# Allegro board FPGA-FINAL.brd (continued)
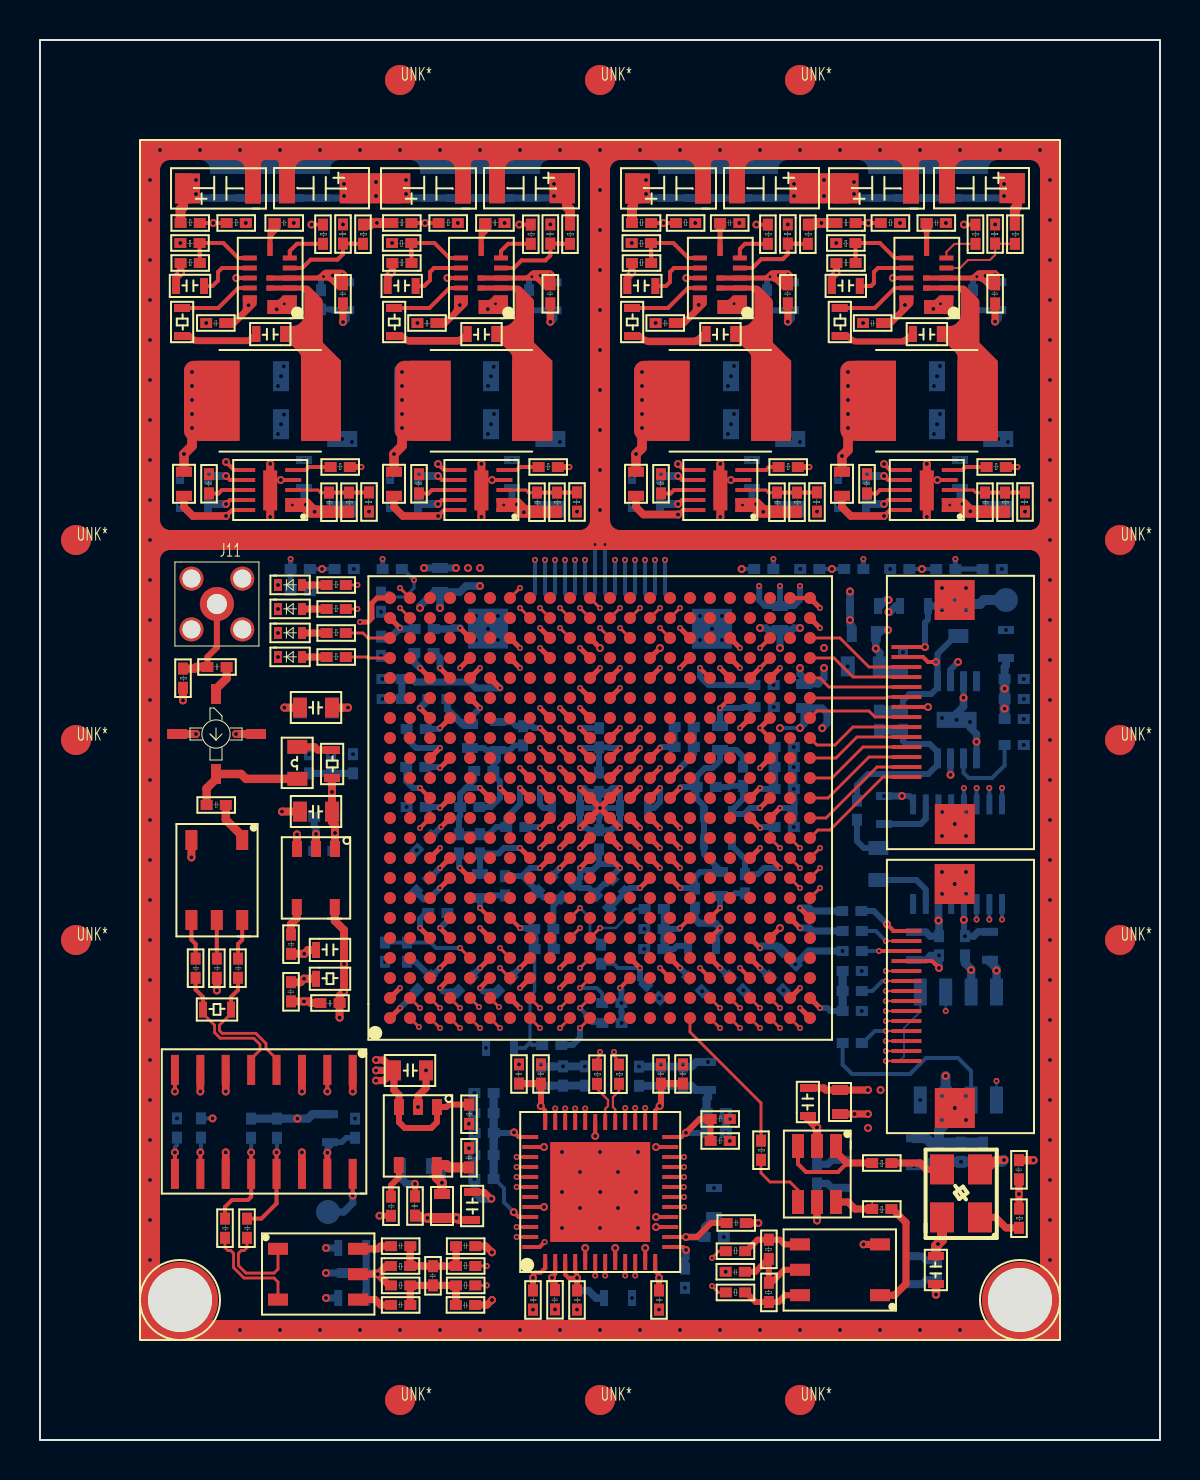
[diagram p0: board, top side]
## Routing (per net, layer and track width the routed paths; a pad name or vN(x,y) marks a point on that pad's centre or on a via; arc(x,y) is an arc through that point) (continued)
AIN+: length 8.3
  TOP w0.14: R194.1 22.2,8.7 v2(22.34,8.7) ; v2(27.76,8.22) U33.6
  SIGNAL-L3 w0.14: v2(27.76,8.22) 27.76,8.02 27.9,7.88 27.9,7.5 27.7,7.3 24.1,7.3 23.06,8.34 22.7,8.34 v2(22.34,8.7)
AIN-: length 8.7
  TOP w0.14: v2(22.34,7.73) 22.2,7.73 22.2,7.73 R196.1 ; v2(28.26,8.22) U33.7
  SIGNAL-L3 w0.14: v2(22.34,7.73) 22.7,8.09 22.96,8.09 24,7.05 27.8,7.05 28.15,7.4 28.15,7.88 28.26,7.99 v2(28.26,8.22)
ASDO: length 30.3
  TOP w0.1: 43.32,18.95 v2(42.29,18.95)
  TOP w0.14: v2(21,20.6) U20.D1
  SIGNAL-L7 w0.14: v2(21,20.6) 21,19.4 23,17.4 30.6,17.4 31,17.8 40.5,17.8 41.65,18.95 v2(42.29,18.95)
  BOTTOM w0.1: v2(42.29,18.95) 42.97,18.95 43.2,19.18 43.2,20.6 44.02,21.41 U49.5
AUDIO_5V: length 35.9
  PWR-L6 w0.3: v1(45.53,33.26) 44.92,33.86 ; 44.92,33.86 44.92,36.44 42.46,38.9 ; 44.92,33.86 v1(44.92,25.97) ; v1(48.23,36.57) v1(48.23,37.57) 46.9,38.9 v1(45.9,38.9) 42.46,38.9 ; 42.46,38.9 v1(41.79,39.57) 41.79,39.89 v1(42.4,40.5)
  BOTTOM w0.3: U18.3 v1(45.53,33.26) ; U18.6 45.53,38.53 v1(45.9,38.9)
  BOTTOM w0.36: C552.1 44.51,25.19 44.3,25.4 C551.2
  BOTTOM w0.38: U24.6 v1(44.92,25.97) 44.95,25.95 C552.1 ; C642.2 41.99,39.36 41.79,39.56 v1(41.79,39.57) L18.2 41.9,40.3 42.1,40.5 v1(42.4,40.5)
  BOTTOM w0.4: C540.1 48.3,38.72 48.23,38.65 C508.2
  BOTTOM w0.5: C642.2 42.24,38.43 C541.2 ; C508.2 v1(48.23,37.57) C507.2 v1(48.23,36.57) C491.2
AUDIO_OUT: length 7.1
  TOP w0.2: J10.14 v1(44.25,39.65)
  BOTTOM w0.3: R139.2 44.4,41.02 44.25,40.87 v1(44.25,39.65)
  BOTTOM w0.38: C140.2 45.19,41.8 45.09,41.7 R139.2
  BOTTOM w0.5: TP53.1 47.2,42 47,41.8 C140.2
CLK2FPGA: length 7.6
  TOP w0.14: U20.T1 32.5,20.4 36.05,16.85 R177.2
CLK_3V3: length 29.7
  TOP w0.36: C206.2 v1(48.95,12.3) R166.2 ; L21.2 v1(40.73,16.3) v1(41.4,16.3) ; U32.5 v1(38.85,10.97)
  TOP w0.5: Y4.4 45.1,10 v1(44.9,9.8) 44.8,9.7 C204.2
  PWR-L6 w0.36: v1(44.9,9.8) 43.73,10.97 ; 43.73,10.97 40.9,10.97 ; 43.73,10.97 44.87,10.97 46.2,12.3 v1(48.95,12.3) ; 40.9,10.97 41.4,11.47 v1(41.4,15.6) v1(41.4,16.3) v1(40.73,16.3) ; 40.9,10.97 v1(38.85,10.97)
  BOTTOM w0.36: v1(38.85,10.97) C210.2 39.38,12.83 39.6,12.61 C663.2 ; C662.2 44.1,9.19 44.32,8.97 C193.2 44.85,9.75 v1(44.9,9.8)
CLKO+: length 2.2
  TOP w0.109: U33.30 28.26,16.56 28.4,16.7 28.4,17 27.85,17.55 R167.1
CLKO-: length 2.1
  TOP w0.109: R169.1 28.95,17.45 28.65,17.15 28.65,16.64 28.76,16.53 U33.29
CONF_DONE: length 28.1
  TOP w0.1: 43.32,24.95 v2(42.29,24.95)
  TOP w0.25: v2(29,38.6) U20.M18
  SIGNAL-L4 w0.14: v2(29,38.6) 29.8,37.8 38.7,37.8 39.9,36.6 39.9,26.3 41.25,24.95 v2(42.29,24.95)
  BOTTOM w0.2: v2(42.29,24.95) 41.79,25.45 R375.1
DATA0: length 21.5
  TOP w0.1: 43.32,20.45 v2(42.29,20.45)
  TOP w0.14: U20.K1 v2(26,20.6)
  SIGNAL-L4 w0.14: v2(26,20.6) 26,19.8 27.1,18.7 39.4,18.7 41.15,20.45 v2(42.29,20.45)
  BOTTOM w0.2: R174.1 41.14,19.85 41.74,20.45 v2(42.29,20.45)
DCLK: length 27.6
  TOP w0.1: 43.32,19.95 v2(42.29,19.95)
  TOP w0.14: U20.K2 v2(26,21.6)
  SIGNAL-L7 w0.14: v2(26,21.6) 25.5,21.1 25.5,18.9 26.3,18.1 30.4,18.1 31,18.7 40.1,18.7 41.35,19.95 v2(42.29,19.95) 44.65,19.95 45.28,20.59 v2(45.28,21.45)
  BOTTOM w0.1: 45.28,22.4 v2(45.28,21.45)
ENC+: length 7.7
  TOP w0.14: U33.9 v2(29.26,8.22) ; R197.2 33.92,7.38 v2(33.6,7.7)
  SIGNAL-L7 w0.14: v2(29.26,8.22) 29.26,7.92 29.39,7.79 29.39,7.24 29.67,6.95 31.2,6.95 32.6,8.35 32.95,8.35 v2(33.6,7.7)
ENC-: length 7.3
  TOP w0.14: U33.10 v2(29.76,8.22) ; R192.2 33.94,9.44 v2(33.6,9.1)
  SIGNAL-L7 w0.14: v2(33.6,9.1) 33.1,8.6 32.5,8.6 31.1,7.2 29.77,7.2 29.63,7.34 29.63,7.79 29.76,7.92 v2(29.76,8.22)
FPGA_RST_ARM: length 5.5
  TOP w0.14: U20.AB13 39.6,33.1 41.15,34.65 J10.4
FPGA_RST_MCU: length 5.3
  TOP w0.14: J10.5 40.85,35.15 39.8,34.1 U20.AB14
FPGA_SPI_CS: length 5.4
  TOP w0.14: J10.12 41.45,38.65 40,40.1 U20.AB20
FPGA_SPI_MISO: length 5
  TOP w0.14: J10.10 39.45,37.65 39,38.1 U20.AB18
FPGA_SPI_MOSI: length 4.8
  TOP w0.14: U20.AB17 42.33,37.1 42.37,37.15 J10.9
FPGA_SPI_SCLK: length 5.2
  TOP w0.14: U20.AB19 39.7,39.1 40.65,38.15 J10.11
FPGA_UART2_RXD: length 5.3
  TOP w0.14: J10.6 40.65,35.65 39.75,34.75 38.85,34.75 U20.AB15
FPGA_UART2_TXD: length 5.1
  TOP w0.14: U20.AB16 38.85,36.45 41.45,36.45 41.75,36.15 J10.7
FPGA_UART_RXD: length 5.9
  TOP w0.14: U20.AB11 39.3,31.1 41.85,33.65 J10.2
FPGA_UART_TXD: length 6.1
  TOP w0.14: J10.1 42.15,33.15 39.5,30.5 38.9,30.5 U20.AB10
I2S_BCK: length 13.5
  TOP w0.14: U20.AA9 v2(38,28.6)
  SIGNAL-L8 w0.14: v2(48.1,26.02) 48.1,27.5 47.5,28.1 38.5,28.1 v2(38,28.6)
  BOTTOM w0.2: U24.1 v2(48.1,26.02)
I2S_DATA: length 11.3
  TOP w0.14: U20.AB7 v2(39,27.6)
  SIGNAL-L8 w0.14: v2(39,27.6) 47,27.6 47.47,27.13 v2(47.47,26.02)
  BOTTOM w0.2: U24.2 v2(47.47,26.02)
I2S_LRCK: length 11.3
  TOP w0.14: U20.AA8 v2(38,27.6)
  SIGNAL-L8 w0.14: v2(46.83,26.02) 46.83,26.67 46.4,27.1 38.5,27.1 v2(38,27.6)
  BOTTOM w0.2: U24.3 v2(46.83,26.02)
I2S_SCK: length 13.9
  TOP w0.14: U20.AB8 v2(39,28.6)
  SIGNAL-L8 w0.14: v2(48.1,32.6) 48.1,29.9 46.8,28.6 v2(39,28.6)
  BOTTOM w0.2: U24.16 v2(48.1,32.6)
IO1: length 4.5
  TOP w0.14: U20.R21 v2(32,41.6)
  SIGNAL-L4 w0.14: v2(31.25,44.01) 31.25,42.85 32,42.1 v2(32,41.6)
  BOTTOM w0.2: J12.1 v2(31.25,44.01)
IO2: length 5.7
  TOP w0.14: U20.R20 v2(31,40.6)
  SIGNAL-L4 w0.14: v2(31,40.6) 31.5,41.1 31.5,41.9 30.75,42.65 v2(30.75,44.01)
  BOTTOM w0.2: J12.2 v2(30.75,44.01)
IO3: length 4.5
  TOP w0.14: U20.P21 v2(31,41.6)
  SIGNAL-L4 w0.14: v2(31,41.6) 30.25,42.35 v2(30.25,44.01)
  BOTTOM w0.2: J12.3 v2(30.25,44.01)
IO4: length 4.2
  TOP w0.14: U20.N21 v2(30,41.6)
  SIGNAL-L4 w0.14: v2(30,41.6) 29.75,41.85 v2(29.75,44.01)
  BOTTOM w0.2: J12.4 v2(29.75,44.01)
IO5: length 4.2
  TOP w0.14: U20.M21 v2(29,41.6)
  SIGNAL-L4 w0.14: v2(29,41.6) 29.25,41.85 v2(29.25,44.01)
  BOTTOM w0.2: J12.5 v2(29.25,44.01)
IO6: length 5.5
  TOP w0.14: U20.N20 v2(29,40.6)
  SIGNAL-L4 w0.14: v2(28.75,44.01) 28.75,42.55 28.5,42.3 28.5,41.1 v2(29,40.6)
  BOTTOM w0.2: J12.6 v2(28.75,44.01)
IO7: length 5.5
  TOP w0.14: U20.M20 v2(28,40.6)
  SIGNAL-L4 w0.14: v2(27.25,44.01) 27.25,42.65 27.5,42.4 27.5,41.1 v2(28,40.6)
  BOTTOM w0.2: J12.9 v2(27.25,44.01)
IO8: length 4.2
  TOP w0.14: U20.L21 v2(27,41.6)
  SIGNAL-L4 w0.14: v2(27,41.6) 27,42 26.75,42.25 v2(26.75,44.01)
  BOTTOM w0.2: J12.10 v2(26.75,44.01)
IO9: length 4.2
  TOP w0.14: U20.K21 v2(26,41.6)
  SIGNAL-L4 w0.14: v2(26,41.6) 26,42 26.25,42.25 v2(26.25,44.01)
  BOTTOM w0.2: J12.11 v2(26.25,44.01)
IO10: length 4.5
  TOP w0.14: U20.J21 v2(25,41.6)
  SIGNAL-L4 w0.14: v2(25.75,44.01) 25.75,42.35 v2(25,41.6)
  BOTTOM w0.2: J12.12 v2(25.75,44.01)
IO11: length 4.7
  TOP w0.14: U20.H21 v2(24,41.6)
  SIGNAL-L4 w0.14: v2(25.25,44.01) 25.25,42.85 v2(24,41.6)
  BOTTOM w0.2: J12.13 v2(25.25,44.01)
IO12: length 3.5
  TOP w0.14: v2(24,42.6) U20.G22
  SIGNAL-L4 w0.14: v2(24.75,44.01) 24.75,43.35 v2(24,42.6)
  BOTTOM w0.2: J12.14 v2(24.75,44.01)
LDO_3V3: length 4.5
  TOP w0.5: L22.1 v1(20.1,12.86) 19.84,13.12 U29.5 20.32,13.75 20.44,13.63 C212.2
  BOTTOM w0.38: v1(20.1,12.86) 20.1,13.5 19.9,13.7 C207.2
LED1: length 3.5
  TOP w0.14: U20.B22 v2(18,42.6) ; v2(15.87,42.75) R136.1
  SIGNAL-L4 w0.14: v2(18,42.6) 16.36,42.6 16.21,42.75 v2(15.87,42.75)
LED2: length 3.4
  TOP w0.14: R137.1 v2(15.87,41.55) ; U20.B21 v2(18,41.6)
  SIGNAL-L4 w0.14: v2(18,41.6) 16.26,41.6 16.21,41.55 v2(15.87,41.55)
LED3: length 2.3
  TOP w0.14: U20.A20 16.4,40.1 16.15,40.35 R133.1
LED4: length 2.2
  TOP w0.14: U20.A19 16.4,39.1 16.35,39.15 R377.1
MSEL0: length 21.3
  TOP w0.25: v2(29,37.6) U20.M17
  SIGNAL-L3 w0.1: v1(44.1,43.55) 44.1,43.1 43.7,42.7 41.8,42.7 41.2,42.1 41.2,39.6 40.7,39.1 30.5,39.1 v2(29,37.6)
  BOTTOM w0.2: R314.1 v1(44.1,43.55) R319.2
MSEL1: length 16
  TOP w0.25: v2(28,38.6) U20.L18
  SIGNAL-L3 w0.1: v2(28,38.6) 29.5,40.1 34,40.1 36,42.1 38.8,42.1 39.6,42.9 v1(39.6,43.55)
  BOTTOM w0.2: R311.1 v1(39.6,43.55) R307.2
MSEL2: length 19.3
  TOP w0.25: v2(27,37.6) U20.L17
  SIGNAL-L8 w0.14: v2(27,37.6) 26.5,38.1 16.1,38.1 14.1,40.1 v1(14.1,43.55)
  BOTTOM w0.2: R310.1 v1(14.1,43.55) R313.2
MSEL3: length 12.2
  TOP w0.14: v2(26,40.6) U20.K20
  SIGNAL-L8 w0.14: v2(18.7,43) 20,43 21.9,41.1 25.5,41.1 v2(26,40.6)
  BOTTOM w0.15: R294.2 17.48,42.37 17.7,42.15 18.25,42.15 18.7,42.6 v2(18.7,43)
  BOTTOM w0.2: R295.1 18.15,43.55 v2(18.7,43)
NCE: length 19.7
  TOP w0.1: 43.32,21.95 v2(42.29,21.95)
  TOP w0.14: v2(27,22.6) U20.L3
  SIGNAL-L7 w0.14: v2(27,22.6) 28.5,21.1 39.6,21.1 40.45,21.95 v2(42.29,21.95)
  BOTTOM w0.2: v2(27,22.6) 27.84,22.6 28.11,22.33 R357.1
NCONFIG: length 19.5
  TOP w0.1: 43.32,22.95 v2(42.29,22.95)
  TOP w0.14: v2(27,25.6) U20.K5
  SIGNAL-L7 w0.14: v2(27,25.6) 29.5,23.1 39.9,23.1 40.05,22.95 v2(42.29,22.95)
  BOTTOM w0.2: R362.1 41.62,22.45 42.12,22.95 v2(42.29,22.95)
NCSO: length 32.6
  TOP w0.1: 43.32,19.45 v2(42.29,19.45)
  TOP w0.14: v2(21.95,21.65) U20.E2
  SIGNAL-L4 w0.14: v2(47.83,17.95) 47.83,18.48 46.85,19.45 v2(42.29,19.45) 41.65,19.45 40.2,18 23.8,18 22.5,19.3 22.5,21.1 v2(21.95,21.65)
  BOTTOM w0.1: U49.1 v2(47.83,17.95)
NRST_FPGA: length 5.7
  TOP w0.14: J10.3 41.45,34.15 39.4,32.1 U20.AB12
NSTATUS: length 3
  TOP w0.14: v2(27,26.6) U20.K6
  BOTTOM w0.127: v2(27,26.6) 27.5,26.1 27.5,25.37 28.05,24.82 R351.2
RSSI: length 13.3
  TOP w0.2: U30.16 v1(15.64,12.23)
  SIGNAL-L8 w0.14: v1(15.64,12.23) 15.64,14.36 14.7,15.3 11.1,15.3 10.32,16.08 v1(8.63,16.08)
  BOTTOM w0.2: C605.1 v1(8.63,16.08)
  BOTTOM w0.36: v1(15.64,12.23) 15.64,11.85 15.19,11.4 TP23.1
SOUTN: length 7.1
  TOP w0.14: U30.5 10.56,19.05 11,19.5 11,19.78 10.69,20.09 9.01,20.09 8.73,20.37 8.73,20.74 8.15,21.32 R162.1
  TOP w0.2: R162.1 8.15,22.15 7.78,22.52 C171.1
SOUTP: length 7.2
  TOP w0.14: R162.2 9.55,21.32 8.97,20.74 8.97,20.47 9.11,20.33 10.79,20.33 11.3,19.82 11.3,19.58 11.83,19.05 U30.4
  TOP w0.2: C173.1 9.9,22.5 9.55,22.15 R162.2
TCK: length 22.5
  TOP w0.1: 43.32,20.95 v2(42.29,20.95)
  TOP w0.14: U20.L2 v2(27,21.6)
  SIGNAL-L7 w0.14: v2(42.29,20.95) 40.95,20.95 39.5,19.5 30.4,19.5 29.7,18.8 27.2,18.8 26.5,19.5 26.5,21.1 v2(27,21.6)
  BOTTOM w0.2: R353.2 27.59,20.85 27.27,21.18 27.27,21.33 v2(27,21.6)
TDI: length 19.5
  TOP w0.1: 43.32,23.45 v2(42.29,23.45)
  TOP w0.14: v2(28,25.6) U20.L5
  SIGNAL-L4 w0.14: v2(28,25.6) 30.9,25.6 32.4,24.1 39.7,24.1 40.35,23.45 v2(42.29,23.45)
  BOTTOM w0.127: v2(28,25.6) 28.79,25.6 29.74,26.55 R356.2
TDO: length 17.8
  TOP w0.1: 43.32,22.45 v2(42.29,22.45)
  TOP w0.14: U20.L4 v2(27,23.6)
  SIGNAL-L4 w0.14: v2(27,23.6) 28.47,22.13 38.43,22.13 38.75,22.45 v2(42.29,22.45)
TINN: length 5.2
  TOP w0.14: T4.2 11.9,7.9 11.7,8.1 10.2,8.1 9.68,8.62 9.68,9.33 9.54,9.47 9.39,9.47 9.25,9.61 C215.1
TINP: length 4.9
  TOP w0.14: C216.1 10.35,9.61 10.21,9.47 10.06,9.47 9.92,9.33 9.92,8.72 10.3,8.34 11.7,8.34 11.9,8.54 T4.1
TMS: length 19.5
  TOP w0.1: 43.32,21.45 v2(42.29,21.45)
  TOP w0.14: U20.L1 v2(27,20.6)
  SIGNAL-L4 w0.14: v2(42.29,21.45) 40.75,21.45 39.3,20 27.6,20 v2(27,20.6)
  BOTTOM w0.3: v2(27,20.6) 27,20.1 26.65,19.75 R352.2
VCOM: length 18.6
  TOP w0.2: U33.2 25.76,8.3 25.6,8.14 v1(25.6,8.12)
  TOP w0.3: v1(25.6,8.12) 25.6,7.95 25.75,7.8 C242.1
  TOP w0.36: R193.1 17.3,8.7 v1(16.89,8.29) ; v1(16.89,8.29) 17.45,7.73 R195.2 ; v1(16.89,8.29) T4.4
  SIGNAL-L7 w0.36: v1(16.89,8.29) 19.01,8.29 21,6.3 24.7,6.3 25.6,7.2 v1(25.6,8.12)
  BOTTOM w0.36: v1(16.89,8.29) 16.83,8.35 C617.1 ; C615.1 16.31,8.57 C617.1 ; C617.1 16.31,8.13 C641.1
VDPL1: length 2.6
  TOP w0.2: U20.U6 v2(34,26.6)
  BOTTOM w0.3: C563.2 34.76,27.33 34.63,27.2 L40.1 v2(34,26.6)
VDPL2: length 3.7
  TOP w0.25: v2(22,36.6) U20.E17
  BOTTOM w0.3: L39.1 21.5,36.1 v2(22,36.6)
  BOTTOM w0.36: C490.2 20.37,36.53 21.1,35.8 L39.1
VDPL3: length 2.5
  TOP w0.2: U20.F6 v2(22,26.6)
  BOTTOM w0.3: C577.2 22.76,27.23 22.63,27.1 L41.1 v2(22,26.6)
VDPL4: length 3.4
  TOP w0.2: U20.V17 v2(34,36.6)
  BOTTOM w0.3: C485.2 35.15,36.65 35.1,36.6 v2(34,36.6)
  BOTTOM w0.32: L38.1 v2(34,36.6)
N7424382: length 9.6
  BOTTOM w0.3: C144.1 43.15,34.95 43.3,34.8 44.49,34.8 44.88,34.41 U18.4 44.88,33.76 44.42,33.3 41.4,33.3 40.85,32.75 R151.2
  BOTTOM w0.5: C144.1 R146.1
N7424390: length 6.8
  BOTTOM w0.3: C144.2 43.15,36.97 43.48,37.3 44.56,37.3 44.88,37.62 U18.5 44.88,39.31 45.77,40.2 C140.1
  BOTTOM w0.5: R146.2 C144.2
N7424650: length 2.9
  BOTTOM w0.3: U24.10 44.29,31.05 44.04,30.8 C186.2
N7424654: length 3.3
  BOTTOM w0.3: U24.7 44.29,27.53 43.82,28 C152.1
N7424662: length 2.3
  BOTTOM w0.3: C152.2 41.19,29.6 40.85,29.94 R151.1
N7424742: length 4.2
  BOTTOM w0.2: C151.2 48.23,33.73 47.6,33.1 46.43,33.1 46.18,33.36 U18.2
N7454523: length 9.7
  BOTTOM w0.2: R174.2 40.13,18.77 40.6,18.3 43.5,18.3 44.3,19.1 45.9,19.1 46.55,18.45 U49.2
N7455499: length 1.2
  TOP w0.36: D11.2 R136.2
N7455557: length 1.2
  TOP w0.36: D13.2 R137.2
N7467286: length 4.6
  TOP w0.14: U20.E4 v2(21,24.6)
  BOTTOM w0.2: v2(21,24.6) 19.8,24.6 19.53,24.87 R355.2 C589.2
N7498655: length 1.7
  TOP w0.3: U29.4 17.94,13.12 17.55,12.73 C211.2
N7538451: length 9.6
  TOP w0.14: v2(28,41.6) U20.L22
  SIGNAL-L8 w0.14: v1(35.08,43.55) 32.63,41.1 28.5,41.1 v2(28,41.6)
  BOTTOM w0.2: R293.1 v1(35.08,43.55)
N7578107: length 4.6
  TOP w0.3: C143.2 8.37,39.15 8.85,39.63 J11.5
  TOP w0.42: R142.2 7.74,38.57 7.82,38.65 C143.2
N7578654: length 1.6
  TOP w0.42: C143.1 9.33,38.08 8.8,37.55 A1.1
N7578935: length 5.9
  TOP w0.42: L19.1 10.3,33.06 10.06,33.3 A1.3 8.8,33.05 8.33,32.58 C149.2
N7579108: length 1.8
  TOP w0.36: R148.1 13.89,34.5 13.74,34.66 L19.2
N7579398: length 2.1
  TOP w0.42: T2.1 10.11,30.2 9.29,31.02 C149.1
N7579484: length 1.9
  TOP w0.2: T2.4 8.84,24.55 8.84,24.55 C172.2
N7579488: length 2
  TOP w0.2: C171.2 7.78,24.8 7.57,25.01 T2.3
N7579492: length 2
  TOP w0.2: T2.5 10.11,25.01 9.9,24.8 C173.2
N7580116: length 18.1
  TOP w0.2: U30.2 v1(14.37,17.43) ; 6.75,18.51 v1(6.75,17.43)
  TOP w0.4: C175.1 13.03,22.89 v1(13.2,23.06) 13.79,23.06 R161.1
  SIGNAL-L4 w0.2: v1(14.37,17.43) 14.37,22.43 13.74,23.06 v1(13.2,23.06)
  SIGNAL-L8 w0.14: v1(14.37,17.43) 13.7,18.1 7.42,18.1 v1(6.75,17.43)
N7580344: length 1.9
  TOP w0.2: 6.75,13.3 v1(6.75,14.38)
  BOTTOM w0.2: v1(6.75,14.38) 6.75,14.65 6.85,14.75 R367.2
N7580738: length 1.8
  TOP w0.2: U30.10 v1(8.02,14.38)
  BOTTOM w0.2: C605.2 8.05,14.42 8.02,14.38 v1(8.02,14.38)
N7580852: length 3
  TOP w0.3: U30.15 v1(14.37,14.36)
  BOTTOM w0.28: R364.1 15.09,14.89 15.31,15.11 C604.1
  BOTTOM w0.3: R364.1 14.5,14.7 14.37,14.57 v1(14.37,14.36)
N7581076: length 5.1
  TOP w0.2: v1(11.83,14.38) U30.13 11.83,11.83 11.07,11.07 C216.2
  BOTTOM w0.2: v1(11.83,14.38) 11.85,14.41 R365.1
N7581083: length 5.1
  TOP w0.2: C215.2 9.25,11.65 9.6,12 10.4,12 10.56,12.16 U30.12 v1(10.56,14.38)
  BOTTOM w0.2: v1(10.56,14.38) 10.56,15.1 R366.1
N7581273: length 1.7
  TOP w0.36: T4.5 16.89,9.56 17.03,9.69 C219.2
N7581277: length 1.8
  TOP w0.36: T4.3 16.76,7.02 17.03,6.75 C243.2
N7581373: length 4.2
  TOP w0.36: C244.1 20.79,7.24 20.8,7.25 R196.2 C222.2 R195.1 C243.1
N7581387: length 4.3
  TOP w0.36: C220.2 R194.2 20.14,8.7 20.13,8.69 C222.1 19.17,8.69 19.16,8.7 R193.2 18.5,9.18 18.51,9.19 C219.1
N7586253: length 2.2
  TOP w0.36: R166.1 48.52,10.61 48.52,10.61 48.3,10.61 47.78,11.13 Y4.1
N7586496: length 2.7
  TOP w0.36: R185.2 44,13.85 44.32,13.53 Y4.3
N7586806: length 6
  TOP w0.2: U32.3 37.9,13.8 38.3,13.4 39.9,13.4 40.35,13.85
  TOP w0.36: U32.1 39.8,14.4 40.35,13.85 R185.1
N7587007: length 3.5
  TOP w0.14: R177.1 36.05,13.35 36.5,12.9 37.5,12.9 37.9,12.5 U32.4
N7587454: length 2.3
  TOP w0.1: 41.61,11.85 R188.1
  TOP w0.36: U32.6 40.4,11.9 40.75,11.55 R188.1
N7587591: length 5.6
  TOP w0.36: T3.1 42.73,7.24 43.3,7.81 43.3,10.87 42.62,11.55 R188.2
N7587990: length 4.4
  TOP w0.1: 36.44,7.91 R198.1 ; 36.44,9 R191.2
  TOP w0.3: T3.4 37.21,8.51 36.61,7.91 36.44,7.91 36.44,9 36.36,9 35.77,8.41 C221.2
N7588005: length 3.1
  TOP w0.3: R197.1 35.3,7.38 35.78,6.9 R198.2 36.92,6.9 37.26,7.24 T3.5
N7588017: length 3.1
  TOP w0.3: T3.3 37.22,9.78 36.99,10.01 R191.1 35.88,10.01 35.3,9.44 R192.1
N7598294: length 1.5
  TOP w0.4: C164.2 12.55,25.8 12.84,26.09 U23.4
N7921484: length 1.2
  TOP w0.36: D12.2 R133.2
N8196940: length 4.5
  TOP w0.2: R59.1 15.64,59.81 15.63,59.82 R58.2 15.15,59.29 14.87,59.02 13.53,59.02 13.11,58.6 U11.4
N8196944: length 5.5
  TOP w0.2: R50.2 v1(8.66,60.85) R49.1 ; U11.9 v1(9.81,58.1)
  SIGNAL-L3 w0.2: v1(9.81,58.1) 9.38,58.1 8.66,58.82 v1(8.66,60.85)
N8196950: length 9.6
  TOP w0.2: R57.2 v1(13.57,60.77)
  SIGNAL-L4 w0.2: v1(13.57,60.77) 13.09,60.29 9.65,60.29 9.05,59.68 9.05,57.27 9.58,56.74 v1(10.43,56.74)
N8196956: length 2.2
  TOP w0.2: U11.5 12.49,59.45 12.85,59.81 R57.1
N8197004: length 3.8
  TOP w0.2: U11.10 9.91,57.6 8.91,56.6 R86.1
N8197022: length 2.9
  TOP w0.2: C75.2 8.63,57.7 8.9,57.97 8.9,58.4 9.1,58.6 U11.8
N8197032: length 3.8
  TOP w0.2: R75.1 7.99,59.36 7.98,59.37 R69.2 9.16,59.85 9.91,59.1 U11.7
N8197074: length 3.8
  TOP w0.2: U12.10 20.47,57.6 19.47,56.6 R87.1
N8197146: length 4.3
  TOP w0.2: U12.4 23.7,58.6 24.08,58.98 25.27,58.98 25.52,59.23 R61.2 25.99,59.82 26,59.81 R62.1
N8197148: length 5.5
  TOP w0.2: R52.2 v1(19.25,60.85) R51.1 ; v1(20.37,58.1) U12.9
  SIGNAL-L3 w0.2: v1(20.37,58.1) 19.95,58.1 19.25,58.79 v1(19.25,60.85)
N8197154: length 2.9
  TOP w0.2: U12.8 19.7,58.6 19.5,58.4 19.5,57.99 19.21,57.7 C76.2
N8197166: length 3.8
  TOP w0.2: R76.1 18.57,59.36 18.56,59.37 R70.2 19.72,59.85 20.47,59.1 U12.7
N8197176: length 9.3
  TOP w0.2: R60.2 v1(23.96,60.77)
  SIGNAL-L4 w0.2: v1(23.96,60.77) 23.47,60.28 20.17,60.28 19.68,59.78 19.68,57.27 20.19,56.75 v1(20.99,56.75)
N8197194: length 2
  TOP w0.2: U12.5 23.05,59.45 23.41,59.81 R60.1
N8197218: length 3.8
  TOP w0.2: R88.1 31.4,56.6 32.4,57.6 U13.10
N8197290: length 4.2
  TOP w0.2: R65.1 37.88,59.81 37.87,59.82 R64.2 37.39,59.29 37.15,59.05 36.07,59.05 35.62,58.6 U13.4
N8197292: length 5.4
  TOP w0.2: U13.9 v1(32.32,58.1) ; R54.2 v1(31.18,60.85) R53.1
  SIGNAL-L3 w0.2: v1(32.32,58.1) 31.87,58.1 31.18,58.79 v1(31.18,60.85)
N8197298: length 2.9
  TOP w0.2: C77.2 31.3,57.7 31.5,57.9 31.5,58.4 31.7,58.6 U13.8
N8197310: length 3.8
  TOP w0.2: R77.1 30.56,59.36 30.55,59.37 R71.2 31.67,59.85 32.42,59.1 U13.7
N8197320: length 9.3
  TOP w0.2: R63.2 v1(35.82,60.77)
  SIGNAL-L4 w0.2: v1(35.82,60.77) 35.33,60.28 32.38,60.28 31.49,59.4 31.49,57.16 31.9,56.76 v1(32.94,56.76)
N8197338: length 2
  TOP w0.2: R63.1 35.25,59.81 34.99,59.55 U13.5
N8197362: length 3.7
  TOP w0.2: R89.1 41.74,56.6 42.74,57.6 U14.10
N8197434: length 4.3
  TOP w0.1: U14.4 46,58.6 46.4,59 47.5,59 47.76,59.26 R67.2 48.18,59.82 48.19,59.81 R68.1
N8197436: length 5.5
  TOP w0.2: R55.1 v1(41.42,60.85) 42.04,60.85 ; U14.9 v1(42.64,58.1)
  SIGNAL-L3 w0.2: v1(41.42,60.85) 41.42,58.78 42.1,58.1 42.21,58.1 42.22,58.1 v1(42.64,58.1)
N8197442: length 3
  TOP w0.2: C78.2 41.55,57.7 41.7,57.84 41.7,58.4 41.9,58.6 U14.8
N8197454: length 3.9
  TOP w0.2: R78.1 40.78,59.33 40.77,59.34 R72.2 41.99,59.85 42.74,59.1 U14.7
N8197464: length 9.5
  TOP w0.2: R66.2 v1(46.2,60.77)
  SIGNAL-L4 w0.2: v1(43.25,56.75) 42.39,56.75 41.73,57.41 41.73,59.64 42.35,60.26 45.69,60.26 v1(46.2,60.77)
N8197482: length 1.9
  TOP w0.1: R66.1 45.81,59.81 45.8,59.8 45.72,59.8 45.32,59.4 U14.5
N9038018: length 1.2
  TOP w0.36: D14.2 R377.2
N9064761: length 1.9
  TOP w0.2: U50.8 42,47.5 41.83,47.33 C643.2
N9066094: length 3.8
  TOP w0.15: U50.3 46.67,47.5 46.8,47.37 C644.2
  TOP w0.2: C644.2 R379.2 48.68,47.37 48.69,47.38 R378.1
N9067246: length 1.9
  TOP w0.2: U50.5 46.12,48.5 46.27,48.65 R380.2
N9071462: length 1.9
  TOP w0.2: U51.8 31.7,47.5 31.53,47.33 C650.2
N9071470: length 3.7
  TOP w0.15: U51.3 36.29,47.5 36.42,47.37 C649.2
  TOP w0.2: C649.2 R381.2 38.41,47.37 38.42,47.38 R382.1
N9071570: length 1.8
  TOP w0.2: U51.5 36.3,48.5 36.45,48.65 R383.2
N9073990: length 2
  TOP w0.2: U52.8 19.6,47.5 19.43,47.33 C654.2
N9073998: length 3.7
  TOP w0.15: C653.2 24.42,47.37 24.29,47.5 U52.3
  TOP w0.2: C653.2 R384.2 26.41,47.37 26.42,47.38 R385.1
N9074098: length 1.8
  TOP w0.2: U52.5 23.85,48.5 24,48.65 R386.2
N9076650: length 2
  TOP w0.2: U53.8 9.1,47.5 8.93,47.33 C658.2
N9076658: length 3.8
  TOP w0.15: C657.2 14.02,47.37 13.89,47.5 U53.3
  TOP w0.2: R388.1 15.89,47.38 15.88,47.37 R387.2 C657.2
N9076758: length 1.9
  TOP w0.2: R389.2 13.44,48.65 13.29,48.5 U53.5

## Copper pours and planes (outline as drawn; the poured copper is in the pictures)
1V2_FPGA on TOP (solid shape): 46.12,47.1 46.23,47.08 46.33,47.01 46.54,46.8 46.64,46.73 46.75,46.71 48.5,46.71 48.5,46.11 46.36,46.11 46.25,46.13 46.15,46.2 45.95,46.4 45.09,46.4 45.09,47.1
1V2_FPGA on PWR-L6: 45,46.3 45,48.8 45.2,49 48.8,49 49.6,48.2 49.6,46.4 49.1,45.9 45.4,45.9
1V2_FPGA on SIGNAL-L8: 37.4,39.2 37.4,37.9 38.3,37 43.5,37 48.4,41.9 48.4,47.1 48.2,47.3 44.9,47.3 44.8,47.2 44.8,42.6 42.2,40 38.2,40
2V0_FPGA on PWR-L6: 39.9,47.5 40.9,47.5 41.2,47.8 41.2,49 41.4,49.2 43.2,49.2 43.6,48.8 43.6,46.2 43.3,45.9 40.1,45.9 39.7,46.3 39.7,47.3
2V5_FPGA on TOP (solid shape): 35.79,47.1 35.91,47.08 36,47.01 36.22,46.8 36.32,46.73 36.43,46.71 38.1,46.71 38.1,46.11 36.04,46.11 35.92,46.13 35.83,46.2 35.62,46.4 34.77,46.4 34.77,47.1
2V5_FPGA on PWR-L6: 35.1,49 38.5,49 39.1,48.4 39.1,44.6 38.7,44.2 38.7,43.1 37.9,42.3 35.7,42.3 35.6,42.4 35.6,42.9 35.9,43.2 36.7,43.2 37.2,43.7 37.2,44.5 36.5,45.2 35.9,45.2 34.7,46.4 34.7,48.6
3V3_BUCK_2V5_IN on PWR-L6: 29.6,47.5 30.7,47.5 31,47.8 31,49 31.2,49.2 32.9,49.2 33.3,48.8 33.3,46.3 33,46 29.7,46 29.4,46.3 29.4,47.3
3V3_FPGA on TOP (solid shape): 23.85,47.1 23.96,47.08 24.06,47.01 24.27,46.8 24.37,46.73 24.48,46.71 26.1,46.71 26.1,46.11 24.09,46.11 23.98,46.13 23.88,46.2 23.68,46.4 22.82,46.4 22.82,47.1
3V3_FPGA on PWR-L6: 22.8,48.7 23.1,49 26.4,49 27.1,48.3 27.1,45.6 26.1,44.6 23.7,44.6 22.3,43.2 19.2,43.2 18.7,43.7 18.7,44.6 19.3,45.2 22.2,45.2 22.8,45.8
3V3_IF on PWR-L6: 15.5,12.7 13.1,10.3 13.1,6.3 12.8,6 10.1,6 9.7,6.4 9.7,8.2 7.9,10 6.2,10 6,10.2 6,27.2 6.3,27.5 15.2,27.5 15.5,27.2
4V0_BUCK_3V3 on PWR-L6: 17.5,47.5 18.6,47.5 18.9,47.8 18.9,48.8 19.4,49.3 20.9,49.3 21.3,48.9 21.3,46.2 21,45.9 17.7,45.9 17.3,46.3 17.3,47.3
5V5_BUCK_5V_IN on PWR-L6: 7,47.5 8,47.5 8.3,47.8 8.3,49 8.6,49.3 10.4,49.3 10.8,48.9 10.8,46.3 10.5,46 7.2,46 6.8,46.4 6.8,47.3
5V_FPGA on TOP (solid shape): 13.28,47.1 13.4,47.08 13.5,47.01 13.71,46.8 13.81,46.73 13.92,46.71 15.7,46.71 15.7,46.11 13.53,46.11 13.42,46.13 13.32,46.2 13.12,46.4 12.26,46.4 12.26,47.1
5V_FPGA on PWR-L6: 12.7,49.1 16,49.1 16.7,48.4 16.7,46.1 15.8,45.2 13.6,45.2 12.9,44.5 12.4,44.5 12.1,44.2 12.1,43.7 12.3,43.5 12.7,43.5 13.3,42.9 14.6,42.9 15.3,42.2 15.3,40.7 15.8,40.2 15.8,31.4 17.3,29.9 17.3,20 18,19.3 20.9,19.3 21.8,18.4 21.8,15.9 21.4,15.5 16.6,15.5 16.1,16 16.1,28.1 15.8,28.4 6.4,28.4 6,28.8 6,44.1 7.4,45.5 11.8,45.5 12.2,45.9 12.2,48.6 ; 1 cut-out
5V_FPGA on SIGNAL-L8: 12.2,46.9 12.2,46 13,45.2 16.9,45.2 17.9,44.2 22.4,44.2 24.5,42.1 32.2,42.1 34.7,44.6 37.2,44.6 37.8,44 37.8,43.2 39.4,41.6 39.4,41.5 40.2,40.7 40.7,40.7 41,41 41,43.1 40.4,43.7 40.4,44.3 39,45.7 34,45.7 33.7,45.4 19,45.4 16.9,47.5 16.9,48.7 16.5,49.1 14.4,49.1
GND on TOP (solid shape): 12.84,56.5 12.78,56.36 12.64,56.3 11.38,56.3 11.38,57 11.83,57 11.91,57.02 11.97,57.06 12.14,57.23 12.84,57.23
GND on TOP (solid shape): 23.4,56.5 23.34,56.36 23.2,56.3 21.93,56.3 21.93,57 22.39,57 22.47,57.02 22.53,57.06 22.7,57.23 23.4,57.23
GND on TOP (solid shape): 35.34,56.5 35.29,56.36 35.15,56.3 33.88,56.3 33.88,57 34.34,57 34.41,57.02 34.48,57.06 34.65,57.23 35.34,57.23
GND on TOP (solid shape): 45.67,56.5 45.61,56.36 45.47,56.3 44.2,56.3 44.2,57 44.66,57 44.74,57.02 44.8,57.06 44.97,57.23 45.67,57.23
GND on TOP (solid shape): 51,5 5,5 5,44 6,44 6,6.5 6,6.47 6.01,6.4 6.03,6.34 6.05,6.28 6.08,6.22 6.12,6.17 6.17,6.12 6.22,6.08 6.28,6.05 6.34,6.03 6.4,6.01 6.47,6 6.5,6 49.5,6 49.53,6 49.6,6.01 49.66,6.03 49.72,6.05 49.78,6.08 49.83,6.12 49.88,6.17 49.92,6.22 49.95,6.28 49.97,6.34 49.99,6.4 50,6.47 50,6.5 50,44 50,44.03 49.99,44.1 49.97,44.16 49.95,44.22 49.92,44.28 49.88,44.33 49.83,44.38 49.78,44.42 49.72,44.45 49.66,44.47 49.6,44.49 49.53,44.5 49.5,44.5 6.5,44.5 6.47,44.5 6.4,44.49 6.34,44.47 6.28,44.45 6.22,44.42 6.17,44.38 6.12,44.33 6.08,44.28 6.05,44.22 6.03,44.16 6.01,44.1 6,44.03 6,44 5,44 5,63.5 6,63.5 6,46 6,45.97 6.01,45.9 6.03,45.84 6.05,45.78 6.08,45.72 6.12,45.67 6.17,45.62 6.22,45.58 6.28,45.55 6.34,45.53 6.4,45.51 6.47,45.5 6.5,45.5 27,45.5 27.03,45.5 27.1,45.51 27.16,45.53 27.22,45.55 27.28,45.58 27.33,45.62 27.38,45.67 27.42,45.72 27.45,45.78 27.47,45.84 27.49,45.9 27.5,45.97 27.5,46 27.5,63.5 28.5,63.5 28.5,46 28.5,45.97 28.51,45.9 28.53,45.84 28.55,45.78 28.58,45.72 28.62,45.67 28.67,45.62 28.72,45.58 28.78,45.55 28.84,45.53 28.9,45.51 28.97,45.5 29,45.5 49.5,45.5 49.53,45.5 49.6,45.51 49.66,45.53 49.72,45.55 49.78,45.58 49.83,45.62 49.88,45.67 49.92,45.72 49.95,45.78 49.97,45.84 49.99,45.9 50,45.97 50,46 50,63.5 50,63.53 49.99,63.6 49.97,63.66 49.95,63.72 49.92,63.78 49.88,63.83 49.83,63.88 49.78,63.92 49.72,63.95 49.66,63.97 49.6,63.99 49.53,64 49.5,64 46.25,64 46.22,64 46.15,63.99 46.09,63.97 46.03,63.95 45.97,63.92 45.92,63.88 45.87,63.83 45.83,63.78 45.8,63.72 45.78,63.66 45.76,63.6 45.75,63.53 45.75,63.5 45.75,61.84 44.95,61.84 44.95,63.8 44.95,63.82 44.94,63.86 44.93,63.89 44.9,63.93 44.88,63.95 44.84,63.98 44.81,63.99 44.77,64 44.75,64 44.15,64 44.13,64 44.09,63.99 44.06,63.98 44.02,63.95 44,63.93 43.97,63.89 43.96,63.86 43.95,63.82 43.95,63.8 43.95,61.83 43.15,61.83 43.15,63.5 43.15,63.53 43.14,63.6 43.12,63.66 43.1,63.72 43.07,63.78 43.03,63.83 42.98,63.88 42.93,63.92 42.87,63.95 42.81,63.97 42.75,63.99 42.68,64 42.65,64 35.75,64 35.72,64 35.65,63.99 35.59,63.97 35.53,63.95 35.47,63.92 35.42,63.88 35.37,63.83 35.33,63.78 35.3,63.72 35.28,63.66 35.26,63.6 35.25,63.53 35.25,63.5 35.25,61.84 34.45,61.84 34.45,63.8 34.45,63.82 34.44,63.86 34.43,63.89 34.4,63.93 34.38,63.95 34.34,63.98 34.31,63.99 34.27,64 34.25,64 33.75,64 33.73,64 33.69,63.99 33.66,63.98 33.62,63.95 33.6,63.93 33.57,63.89 33.56,63.86 33.55,63.82 33.55,63.8 33.55,61.83 32.75,61.83 32.75,63.5 32.75,63.53 32.74,63.6 32.72,63.66 32.7,63.72 32.67,63.78 32.63,63.83 32.58,63.88 32.53,63.92 32.47,63.95 32.41,63.97 32.35,63.99 32.28,64 32.25,64 29,64 28.97,64 28.9,63.99 28.84,63.97 28.78,63.95 28.72,63.92 28.67,63.88 28.62,63.83 28.58,63.78 28.55,63.72 28.53,63.66 28.51,63.6 28.5,63.53 28.5,63.5 27.5,63.5 27.5,63.53 27.49,63.6 27.47,63.66 27.45,63.72 27.42,63.78 27.38,63.83 27.33,63.88 27.28,63.92 27.22,63.95 27.16,63.97 27.1,63.99 27.03,64 27,64 23.75,64 23.72,64 23.65,63.99 23.59,63.97 23.53,63.95 23.47,63.92 23.42,63.88 23.37,63.83 23.33,63.78 23.3,63.72 23.28,63.66 23.26,63.6 23.25,63.53 23.25,63.5 23.25,61.84 22.45,61.84 22.45,63.8 22.45,63.82 22.44,63.86 22.43,63.89 22.4,63.93 22.38,63.95 22.34,63.98 22.31,63.99 22.27,64 22.25,64 21.75,64 21.73,64 21.69,63.99 21.66,63.98 21.62,63.95 21.6,63.93 21.57,63.89 21.56,63.86 21.55,63.82 21.55,63.8 21.55,61.83 20.75,61.83 20.75,63.5 20.75,63.53 20.74,63.6 20.72,63.66 20.7,63.72 20.67,63.78 20.63,63.83 20.58,63.88 20.53,63.92 20.47,63.95 20.41,63.97 20.35,63.99 20.28,64 20.25,64 13.25,64 13.22,64 13.15,63.99 13.09,63.97 13.03,63.95 12.97,63.92 12.92,63.88 12.87,63.83 12.83,63.78 12.8,63.72 12.78,63.66 12.76,63.6 12.75,63.53 12.75,63.5 12.75,61.84 11.95,61.84 11.95,63.8 11.95,63.82 11.94,63.86 11.93,63.89 11.9,63.93 11.88,63.95 11.84,63.98 11.81,63.99 11.77,64 11.75,64 11.25,64 11.23,64 11.19,63.99 11.16,63.98 11.12,63.95 11.1,63.93 11.07,63.89 11.06,63.86 11.05,63.82 11.05,63.8 11.05,61.83 10.25,61.83 10.25,63.5 10.25,63.53 10.24,63.6 10.22,63.66 10.2,63.72 10.17,63.78 10.13,63.83 10.08,63.88 10.03,63.92 9.97,63.95 9.91,63.97 9.85,63.99 9.78,64 9.75,64 6.5,64 6.47,64 6.4,63.99 6.34,63.97 6.28,63.95 6.22,63.92 6.17,63.88 6.12,63.83 6.08,63.78 6.05,63.72 6.03,63.66 6.01,63.6 6,63.53 6,63.5 5,63.5 5,65 51,65
GND on BOTTOM (solid shape): 51,5 5,5 5,44 6,44 6,6.5 6,6.47 6.01,6.4 6.03,6.34 6.05,6.28 6.08,6.22 6.12,6.17 6.17,6.12 6.22,6.08 6.28,6.05 6.34,6.03 6.4,6.01 6.47,6 6.5,6 49.5,6 49.53,6 49.6,6.01 49.66,6.03 49.72,6.05 49.78,6.08 49.83,6.12 49.88,6.17 49.92,6.22 49.95,6.28 49.97,6.34 49.99,6.4 50,6.47 50,6.5 50,44 50,44.03 49.99,44.1 49.97,44.16 49.95,44.22 49.92,44.28 49.88,44.33 49.83,44.38 49.78,44.42 49.72,44.45 49.66,44.47 49.6,44.49 49.53,44.5 49.5,44.5 6.5,44.5 6.47,44.5 6.4,44.49 6.34,44.47 6.28,44.45 6.22,44.42 6.17,44.38 6.12,44.33 6.08,44.28 6.05,44.22 6.03,44.16 6.01,44.1 6,44.03 6,44 5,44 5,63.5 6,63.5 6,46 6,45.97 6.01,45.9 6.03,45.84 6.05,45.78 6.08,45.72 6.12,45.67 6.17,45.62 6.22,45.58 6.28,45.55 6.34,45.53 6.4,45.51 6.47,45.5 6.5,45.5 27,45.5 27.03,45.5 27.1,45.51 27.16,45.53 27.22,45.55 27.28,45.58 27.33,45.62 27.38,45.67 27.42,45.72 27.45,45.78 27.47,45.84 27.49,45.9 27.5,45.97 27.5,46 27.5,63.5 28.5,63.5 28.5,46 28.5,45.97 28.51,45.9 28.53,45.84 28.55,45.78 28.58,45.72 28.62,45.67 28.67,45.62 28.72,45.58 28.78,45.55 28.84,45.53 28.9,45.51 28.97,45.5 29,45.5 49.5,45.5 49.53,45.5 49.6,45.51 49.66,45.53 49.72,45.55 49.78,45.58 49.83,45.62 49.88,45.67 49.92,45.72 49.95,45.78 49.97,45.84 49.99,45.9 50,45.97 50,46 50,63.5 50,63.53 49.99,63.6 49.97,63.66 49.95,63.72 49.92,63.78 49.88,63.83 49.83,63.88 49.78,63.92 49.72,63.95 49.66,63.97 49.6,63.99 49.53,64 49.5,64 47.9,64 47.87,64 47.8,63.99 47.74,63.97 47.68,63.95 47.62,63.92 47.57,63.88 47.52,63.83 47.48,63.78 47.45,63.72 47.43,63.66 47.41,63.6 47.4,63.53 47.4,63.5 47.4,63.3 41.4,63.3 41.4,63.5 41.4,63.53 41.39,63.6 41.37,63.66 41.35,63.72 41.32,63.78 41.28,63.83 41.23,63.88 41.18,63.92 41.12,63.95 41.06,63.97 41,63.99 40.93,64 40.9,64 37.4,64 37.37,64 37.3,63.99 37.24,63.97 37.18,63.95 37.12,63.92 37.07,63.88 37.02,63.83 36.98,63.78 36.95,63.72 36.93,63.66 36.91,63.6 36.9,63.53 36.9,63.5 36.9,63.3 30.9,63.3 30.9,63.5 30.9,63.53 30.89,63.6 30.87,63.66 30.85,63.72 30.82,63.78 30.78,63.83 30.73,63.88 30.68,63.92 30.62,63.95 30.56,63.97 30.5,63.99 30.43,64 30.4,64 29,64 28.97,64 28.9,63.99 28.84,63.97 28.78,63.95 28.72,63.92 28.67,63.88 28.62,63.83 28.58,63.78 28.55,63.72 28.53,63.66 28.51,63.6 28.5,63.53 28.5,63.5 27.5,63.5 27.5,63.53 27.49,63.6 27.47,63.66 27.45,63.72 27.42,63.78 27.38,63.83 27.33,63.88 27.28,63.92 27.22,63.95 27.16,63.97 27.1,63.99 27.03,64 27,64 25.5,64 25.47,64 25.4,63.99 25.34,63.97 25.28,63.95 25.22,63.92 25.17,63.88 25.12,63.83 25.08,63.78 25.05,63.72 25.03,63.66 25.01,63.6 25,63.53 25,63.5 25,63.3 19,63.3 19,63.5 19,63.53 18.99,63.6 18.97,63.66 18.95,63.72 18.92,63.78 18.88,63.83 18.83,63.88 18.78,63.92 18.72,63.95 18.66,63.97 18.6,63.99 18.53,64 18.5,64 15,64 14.97,64 14.9,63.99 14.84,63.97 14.78,63.95 14.72,63.92 14.67,63.88 14.62,63.83 14.58,63.78 14.55,63.72 14.53,63.66 14.51,63.6 14.5,63.53 14.5,63.5 14.5,63.3 8.5,63.3 8.5,63.5 8.5,63.53 8.49,63.6 8.47,63.66 8.45,63.72 8.42,63.78 8.38,63.83 8.33,63.88 8.28,63.92 8.22,63.95 8.16,63.97 8.1,63.99 8.03,64 8,64 6.5,64 6.47,64 6.4,63.99 6.34,63.97 6.28,63.95 6.22,63.92 6.17,63.88 6.12,63.83 6.08,63.78 6.05,63.72 6.03,63.66 6.01,63.6 6,63.53 6,63.5 5,63.5 5,65 51,65
GND on BOTTOM: 24.8,9.1 31.3,9.1 31.3,15.7 24.8,15.7
GND on GND-L2, GND-L5, GND-L9: 5,65 51,65 51,45.5 39.6,45.5 39.6,23.8 43.1,23.8 43.1,24.7 40,24.7 40,44.5 50,44.5 50,6 33.3,6 33.3,9.2 33.8,9.7 33.8,10.9 32.8,10.9 32.8,6 6,6 6,44.5 11.1,44.5 11.1,38 15.8,38 15.8,19.6 16.5,18.9 20.6,18.9 20.6,12.6 22.9,10.3 23.2,10.3 23.2,12.7 21.4,12.7 21.4,19.9 17.1,19.9 16.4,20.6 16.4,38.5 11.6,38.5 11.6,45.5 5,45.5
VBAT_IN on TOP (solid shape): 8,61.83 6.75,61.83 6.75,63.33 8,63.33
VBAT_IN on TOP (solid shape): 26.75,61.84 25.47,61.84 25.47,63.34 26.75,63.34
VBAT_IN on TOP (solid shape): 30.5,61.83 29.25,61.83 29.25,63.33 30.5,63.33
VBAT_IN on TOP (solid shape): 49.25,61.84 47.97,61.84 47.97,63.34 49.25,63.34
VBAT_IN on TOP (solid shape): 40.93,61.83 37.48,61.83 37.48,63.34 40.93,63.34
VBAT_IN on TOP (solid shape): 18.51,61.83 18.05,61.83 15.45,61.83 14.98,61.83 14.98,63.34 18.51,63.34
VBAT_IN on TOP (solid shape): 37.64,58.3 37.64,57.49 37.14,57.49 36.8,57.83 36.64,57.94 36.45,57.98 33.83,57.98 33.83,58.23 36.15,58.23 36.27,58.25 36.36,58.31 36.46,58.41 36.56,58.47 36.67,58.49 37.45,58.49
VBAT_IN on TOP (solid shape): 48.01,58.3 48.01,57.49 47.51,57.49 47.17,57.83 47,57.94 46.81,57.98 44.16,57.98 44.16,58.23 46.48,58.23 46.59,58.25 46.69,58.31 46.78,58.41 46.88,58.47 47,58.49 47.81,58.49
VBAT_IN on TOP (solid shape): 15.06,58.52 15.17,58.49 15.27,58.43 15.31,58.39 15.38,58.29 15.4,58.18 15.4,57.49 14.9,57.49 14.5,57.89 14.41,57.95 14.29,57.98 11.32,57.98 11.32,58.23 13.78,58.23 13.89,58.25 13.99,58.31 14.1,58.43 14.2,58.49 14.32,58.52
VBAT_IN on TOP (solid shape): 25.45,58.49 25.56,58.47 25.66,58.41 25.68,58.39 25.74,58.29 25.77,58.18 25.77,57.49 25.27,57.49 24.87,57.89 24.77,57.95 24.66,57.98 21.89,57.98 21.89,58.23 24.21,58.23 24.32,58.25 24.42,58.31 24.51,58.41 24.61,58.47 24.73,58.49
VCCINT_1V2 on PWR-L6: 22.5,35.9 22.5,30.6 24.9,28.2 31,28.2 31.8,27.4 32.9,27.4 33.45,27.95 33.45,34.75 34.9,36.2 36,36.2 36.5,35.7 36.5,34.9 36.9,34.5 40.1,34.5 40.4,34.8 40.4,36.7 39.6,37.5 30.1,37.5 29.6,37 23.6,37
VCCIO_3V3 on PWR-L6: 23.3,43.6 32.1,43.6 32.2,43.5 33.6,44.9 36.4,44.9 37.1,44.2 37.1,44.1 36.7,43.7 35.4,43.7 35,44.1 34.6,44.1 34.2,43.7 34.2,43 35.1,42.1 38.3,42.1 40.1,43.9 40.1,44.5 40.6,45 46.2,45 46.6,44.6 46.6,44 46.3,43.7 42.9,43.7 42.6,43.4 41.5,43.4 41.4,43.5 40.9,43.5 39.8,42.4 39.8,40.9 39.2,40.3 38.8,40.3 37.8,41.3 37.8,41.4 34.6,41.4 34.2,41 32.4,41 32.2,40.8 32.2,40.1 27,40.1 25.2,38.3 21.3,38.3 20.5,37.5 20.5,29.8 22.9,27.4 22.9,25.6 23.8,24.7 31.4,24.7 32.2,23.9 34.9,23.9 35.8,24.8 36.2,24.8 37.1,23.9 42.5,23.9 42.5,24.4 41.9,25 38.1,25 36.9,26.2 35.6,26.2 34.5,27.3 34.5,35.6 34.8,35.9 35.2,35.9 35.4,35.7 35.4,34.9 36,34.3 39.1,34.3 39.7,33.7 39.7,31.2 42.9,28 42.9,25.8 44.2,24.5 47.1,24.5 47.2,24.6 50,24.6 50,17.4 36.6,17.4 36.5,17.3 36.5,13.1 34.9,11.5 30.6,11.5 30.1,11 23.7,11 23.5,11.2 23.5,14.4 22.9,15 22.9,19 21.9,20 18.7,20 17.8,20.9 17.8,30.6 16.5,31.9 16.5,44.1 16.8,44.4 17.3,44.4 18.8,42.9 22.6,42.9
ADC_3V3 on PWR-L6: 32.7,10.7 23.4,10.7 23,11.1 23,13.3 21.9,14.4 17,14.4 16.4,13.8 16.4,12.1 15.4,11.1 15.4,6.3 15.7,6 32.8,6 32.9,6.1 32.9,10.5
AUDIO_5V on PWR-L6: 41.5,43.1 41.5,31.4 43.4,29.5 43.4,26.4 44.8,25 50,25 50,43.1
CLK_3V3 on PWR-L6: 45.4,6 45.4,9.5 45.9,10 49.4,10 50,10.6 50,16.4 49.8,16.6 37.8,16.6 37.1,15.9 37.1,11.6 36,10.5 36,10 33.4,10 33.4,6
N8196950 on TOP (solid shape): 10.84,56.84 10.82,56.77 10.78,56.7 9.74,55.66 9.67,55.62 9.6,55.6 8.97,55.6 8.97,56.1 9.63,56.1 9.7,56.12 9.77,56.16 10.08,56.47 10.12,56.54 10.14,56.61 10.14,57.23 10.84,57.23
N8196998 on TOP (solid shape): 12.03,60.56 11.77,60.31 11.66,60.14 11.62,59.95 11.62,59.2 11.38,59.2 11.38,60.55 11.43,60.6 11.43,61.1 12.03,61.1
N8197008 on TOP (solid shape): 13.3,57.73 13.41,57.7 13.51,57.64 14.05,57.1 14.12,57 14.14,56.88 14.14,54.87 15.05,53.96 15.05,49.96 13.05,49.96 13.05,54.14 13.03,54.26 12.96,54.35 12.41,54.9 12.02,54.9 12.02,55.7 12.65,55.7 12.84,55.74 13,55.85 13.07,55.91 13.18,56.08 13.22,56.27 13.22,57.34 13.08,57.48 11.32,57.48 11.32,57.73
N8197018 on TOP (solid shape): 11.02,54.9 10.61,54.9 10.59,54.88 10.49,54.82 10.38,54.79 7.83,54.79 7.72,54.82 7.62,54.88 7.5,55 6.7,55 6.7,55.4 7.5,55.4 7.68,55.22 7.78,55.16 7.89,55.13 10.29,55.13 10.41,55.16 10.5,55.22 10.62,55.33 10.62,55.7 11.02,55.7
N8197078 on TOP (solid shape): 21.57,54.9 21.15,54.9 21.11,54.86 21.01,54.79 20.89,54.77 18.46,54.77 18.34,54.79 18.25,54.86 18.1,55 17.3,55 17.3,55.4 18.1,55.4 18.26,55.24 18.36,55.17 18.48,55.15 20.83,55.15 20.95,55.17 21.04,55.24 21.18,55.37 21.18,55.7 21.57,55.7
N8197098 on TOP (solid shape): 23.86,57.73 23.97,57.7 24.07,57.64 24.61,57.1 24.68,57 24.7,56.88 24.7,54.87 25.61,53.96 25.61,49.96 23.61,49.96 23.61,54.14 23.59,54.26 23.52,54.35 22.98,54.9 22.57,54.9 22.57,55.7 23.21,55.7 23.4,55.74 23.56,55.85 23.63,55.91 23.74,56.08 23.78,56.27 23.78,57.34 23.64,57.48 21.89,57.48 21.89,57.73
N8197176 on TOP (solid shape): 21.4,56.84 21.38,56.77 21.34,56.7 20.3,55.66 20.23,55.62 20.16,55.6 19.53,55.6 19.53,56.1 20.19,56.1 20.26,56.12 20.33,56.16 20.64,56.47 20.68,56.54 20.7,56.61 20.7,57.23 21.4,57.23
N8197182 on TOP (solid shape): 22.57,60.54 22.33,60.31 22.22,60.14 22.18,59.95 22.18,59.2 21.93,59.2 21.93,60.57 21.97,60.6 21.97,61.1 22.57,61.1
N8197222 on TOP (solid shape): 33.52,54.9 33.12,54.9 33.11,54.89 32.95,54.78 32.76,54.74 30.46,54.74 30.27,54.78 30.11,54.89 30,55 29.2,55 29.2,55.4 30,55.4 30.14,55.26 30.3,55.15 30.49,55.12 32.58,55.12 32.77,55.15 32.93,55.26 33.12,55.45 33.12,55.7 33.52,55.7
N8197242 on TOP (solid shape): 35.8,57.73 35.92,57.7 36.02,57.64 36.56,57.1 36.62,57 36.65,56.88 36.65,54.87 37.55,53.96 37.55,49.96 35.55,49.96 35.55,54.14 35.53,54.26 35.47,54.35 34.92,54.9 34.52,54.9 34.52,55.7 35.15,55.7 35.35,55.74 35.51,55.85 35.58,55.91 35.68,56.08 35.72,56.27 35.72,57.34 35.59,57.48 33.83,57.48 33.83,57.73
N8197320 on TOP (solid shape): 33.34,56.84 33.33,56.77 33.29,56.7 32.24,55.66 32.18,55.62 32.1,55.6 31.48,55.6 31.48,56.1 32.13,56.1 32.21,56.12 32.27,56.16 32.59,56.47 32.63,56.54 32.65,56.61 32.65,57.23 33.34,57.23
N8197326 on TOP (solid shape): 34.31,60.6 34.13,60.42 34.13,59.2 33.88,59.2 33.88,60.43 33.71,60.6 33.71,61.1 34.31,61.1
N8197366 on TOP (solid shape): 43.84,54.9 43.45,54.9 43.41,54.86 43.31,54.8 43.19,54.77 40.82,54.77 40.63,54.81 40.47,54.92 40.39,55 39.59,55 39.59,55.4 40.39,55.4 40.57,55.22 40.73,55.11 40.92,55.08 42.96,55.08 43.15,55.11 43.31,55.22 43.45,55.36 43.45,55.7 43.84,55.7
N8197386 on TOP (solid shape): 46.13,57.73 46.24,57.7 46.34,57.64 46.88,57.1 46.95,57 46.97,56.88 46.97,54.87 47.88,53.96 47.88,49.96 45.88,49.96 45.88,54.14 45.86,54.26 45.79,54.35 45.24,54.9 44.84,54.9 44.84,55.7 45.48,55.7 45.67,55.74 45.83,55.85 45.9,55.91 46.01,56.08 46.05,56.27 46.05,57.34 45.91,57.48 44.16,57.48 44.16,57.73
N8197464 on TOP (solid shape): 43.67,56.84 43.65,56.77 43.61,56.7 42.57,55.66 42.5,55.62 42.43,55.6 41.81,55.6 41.81,56.1 42.46,56.1 42.53,56.12 42.6,56.16 42.91,56.47 42.95,56.54 42.97,56.61 42.97,57.23 43.67,57.23
N8197470 on TOP (solid shape): 44.63,60.6 44.6,60.57 44.49,60.41 44.45,60.21 44.45,59.2 44.2,59.2 44.2,60.22 44.17,60.41 44.06,60.58 44.03,60.6 44.03,61.1 44.63,61.1
2V0_FPGA_PWR on TOP (solid shape): 42.8,49.96 40.53,49.96 40.18,50.11 40.03,50.46 40.03,53.46 40.18,53.81 40.53,53.96 42.8,53.96
2V0_FPGA_PWR on BOTTOM (solid shape): 41.75,50.04 40.5,50.04 40.15,50.19 40,50.54 40,53.44 40.15,53.79 40.5,53.94 41.75,53.94
3V3_BUCK_2V5 on TOP (solid shape): 32.48,49.96 30.2,49.96 29.85,50.11 29.7,50.46 29.7,53.46 29.85,53.81 30.2,53.96 32.48,53.96
3V3_BUCK_2V5 on BOTTOM (solid shape): 31.45,50.04 30.2,50.04 29.85,50.19 29.7,50.54 29.7,53.44 29.85,53.79 30.2,53.94 31.45,53.94
4V0_BUCK_3V3_PWR on TOP (solid shape): 20.53,49.96 18.26,49.96 17.91,50.11 17.76,50.46 17.76,53.46 17.91,53.81 18.26,53.96 20.53,53.96
4V0_BUCK_3V3_PWR on BOTTOM (solid shape): 19.45,50.04 18.2,50.04 17.85,50.19 17.7,50.54 17.7,53.44 17.85,53.79 18.2,53.94 19.45,53.94
5V5_BUCK_5V_PWR on TOP (solid shape): 9.97,49.96 7.7,49.96 7.35,50.11 7.2,50.46 7.2,53.46 7.35,53.81 7.7,53.96 9.97,53.96
5V5_BUCK_5V_PWR on BOTTOM (solid shape): 8.95,50.04 7.7,50.04 7.35,50.19 7.2,50.54 7.2,53.44 7.35,53.79 7.7,53.94 8.95,53.94

## Text on the board
Ref Des/Silkscreen Bottom: ALL-IN-ONE | LDVFMA121DEC10 | TELECTRICIAN | Pb | Y
User.Comments: ANY QUESTIONS PLEASE CALL 13522296239 YANTAI ELECTRICIAN. | V-CUTx4 FOR BREAK
XSECTION_CHART: *  SURFACE - AIR 0 MM(+0/-0) | L1 TOP CONDUCTOR - COPPER 0.0175 MM(+0/-0) | *  DIELECTRIC - FR-4 0.09785 MM(+0/-0) | L2 GND-L2 CONDUCTOR - COPPER 0.035 MM(+0/-0) | *  DIELECTRIC - FR-4 0.1299 MM(+0/-0) | L3 SIGNAL-L3 CONDUCTOR - COPPER 0.035 MM(+0/-0) | *  DIELECTRIC - FR-4 0.1759 MM(+0/-0) | L4 SIGNAL-L4 CONDUCTOR - COPPER 0.035 MM(+0/-0) | L5 GND-L5 CONDUCTOR - COPPER 0.035 MM(+0/-0) | *  DIELECTRIC - FR-4 0.1829 MM(+0/-0) | L6 PWR-L6 CONDUCTOR - COPPER 0.035 MM(+0/-0) | L7 SIGNAL-L7 CONDUCTOR - COPPER 0.035 MM(+0/-0) | L8 SIGNAL-L8 CONDUCTOR - COPPER 0.035 MM(+0/-0) | L9 GND-L9 CONDUCTOR - COPPER 0.035 MM(+0/-0) | L10 BOTTOM CONDUCTOR - COPPER 0.0175 MM(+0/-0) | DESIGN CROSS SECTION CHART | ___________________________ | TOTAL THICKNESS 1.565 MM | 1-10 | 1-2 | 9-10
DIMENSION: SMT MARKER x 12 | PRAY NO BUGS INDEFINITELY. | IN GOD WE TRUST. | LDVFMA121DEC10 | LDV+FM DEMODULATION+A1(REVISION)+21(2021 YEAR)+DEC(DECEMBER)+10(DAY) | ANY QUESTIONS PLEASE CALL 13522296239 (YANTAI ELECTRICIAN). | DRILL LEGEND TABLES | ALL-IN-ONE | TELECTRICIAN | Y
User.7: FIGURE | FINISHED_SIZE | 0.15 | 0.2 | 0.9 | 1.0 | 3.2 | DRILL CHART: TOP to BOTTOM | ALL UNITS ARE IN MILLIMETERS | PLATED | NON-PLATED | QTY | 293 | 345 | 4 | 1 | 2
User.10: FIGURE | FINISHED_SIZE | 0.15 | 0.2 | DRILL CHART: GND-L9 to BOTTOM | ALL UNITS ARE IN MILLIMETERS | PLATED | QTY | 1 | 132
User.11: FIGURE | FINISHED_SIZE | 0.2 | DRILL CHART: TOP to GND-L2 | ALL UNITS ARE IN MILLIMETERS | PLATED | QTY | 85
